# Allegro board BeagleBone AI -64_PCB_V1.02_211119.brd (continued)
## Footprints (pads in the part's own frame, mm; a bottom-side part is the same pattern mirrored in y, then rotated) (continued)
FPC22_0D5_15_4X5_25X2MM_0D5_DX_NPWB
  rrect 0.3x1.3 smd: 1(5.25,0.3) 2(4.75,0.3) 3(4.25,0.3) 4(3.75,0.3) 5(3.25,0.3) 6(2.75,0.3) 7(2.25,0.3) 8(1.75,0.3) 9(1.25,0.3) 10(0.75,0.3) 11(0.25,0.3) 12(-0.25,0.3) 13(-0.75,0.3) 14(-1.25,0.3) 15(-1.75,0.3) 16(-2.25,0.3) 17(-2.75,0.3) 18(-3.25,0.3) 19(-3.75,0.3) 20(-4.25,0.3) 21(-4.75,0.3) 22(-5.25,0.3)
  rect 1.8x2.2 smd: 23(-7.3,-2.847) 24(7.3,-2.847)
HEADER2X8_SMD_1D27
  rect 0.711x2.794 smd: 1(-4.445,-2.324) 2(-4.445,2.324) 3(-3.175,-2.324) 4(-3.175,2.324) 5(-1.905,-2.324) 6(-1.905,2.324) 7(-0.635,-2.324) 8(-0.635,2.324) 9(0.635,-2.324) 10(0.635,2.324) 11(1.905,-2.324) 12(1.905,2.324) 13(3.175,-2.324) 14(3.175,2.324) 15(4.445,-2.324) 16(4.445,2.324)
HEADER2X23P_2D54_SMD_PTH
  rect 1.524x1.524 hole 0.889: 1(-27.94,-1.27)
  round 1.524 hole 0.889: 2(-27.94,1.27) 3(-25.4,-1.27) 4(-25.4,1.27) 43(25.4,-1.27) 44(25.4,1.27) 45(27.94,-1.27) 46(27.94,1.27)
  rrect 1.02x1.9 smd: 5(-22.86,-2.917) 6(-22.86,2.917) 7(-20.32,-2.917) 8(-20.32,2.917) 9(-17.78,-2.917) 10(-17.78,2.917) 11(-15.24,-2.917) 12(-15.24,2.917) 13(-12.7,-2.917) 14(-12.7,2.917) 15(-10.16,-2.917) 16(-10.16,2.917) 17(-7.62,-2.917) 18(-7.62,2.917) 19(-5.08,-2.917) 20(-5.08,2.917) 21(-2.54,-2.917) 22(-2.54,2.917) 23(0,-2.917) 24(0,2.917) 25(2.54,-2.917) 26(2.54,2.917) 27(5.08,-2.917) 28(5.08,2.917) 29(7.62,-2.917) 30(7.62,2.917) 31(10.16,-2.917) 32(10.16,2.917) 33(12.7,-2.917) 34(12.7,2.917) 35(15.24,-2.917) 36(15.24,2.917) 37(17.78,-2.917) 38(17.78,2.917) 39(20.32,-2.917) 40(20.32,2.917) 41(22.86,-2.917) 42(22.86,2.917)
HEADER2X25P_2D54_SMD_PTH
  rrect 1.02x1.9 smd: 1(-25.4,-2.917) 2(-25.4,2.917) 3(-22.86,-2.917) 4(-22.86,2.917) 5(-20.32,-2.917) 6(-20.32,2.917) 7(-17.78,-2.917) 8(-17.78,2.917) 9(-15.24,-2.917) 10(-15.24,2.917) 11(-12.7,-2.917) 12(-12.7,2.917) 13(-10.16,-2.917) 14(-10.16,2.917) 15(-7.62,-2.917) 16(-7.62,2.917) 17(-5.08,-2.917) 18(-5.08,2.917) 19(-2.54,-2.917) 20(-2.54,2.917) 21(0,-2.917) 22(0,2.917) 23(2.54,-2.917) 24(2.54,2.917) 25(5.08,-2.917) 26(5.08,2.917) 27(7.62,-2.917) 28(7.62,2.917) 29(10.16,-2.917) 30(10.16,2.917) 31(12.7,-2.917) 32(12.7,2.917) 33(15.24,-2.917) 34(15.24,2.917) 35(17.78,-2.917) 36(17.78,2.917) 37(20.32,-2.917) 38(20.32,2.917) 39(22.86,-2.917) 40(22.86,2.917) 41(25.4,-2.917) 42(25.4,2.917)
  round 1.524 hole 0.889: 43(27.94,-1.27) 44(27.94,1.27) 45(30.48,-1.27) 46(30.48,1.27) E2(-30.48,1.27) E3(-27.94,-1.27) E4(-27.94,1.27)
  rect 1.524x1.524 hole 0.889: E1(-30.48,-1.27)
HEADER4_2P_1D25_SMD_10X5_3X3_6MM
  rrect 0.8x1.6 smd: 1(-1.875,0) 2(-0.625,0) 3(0.625,0) 4(1.875,0)
  rrect 2.1x2.7 smd: 5(-4.625,-2.85) 6(4.625,-2.85)
L0603
  rrect 0.889x0.889 smd: 1(-0.762,0) 2(0.762,0)
L1008
  rect 1.143x1.905 smd: 1(-1.143,0) 2(1.143,0)
L2012
  rrect 0.75x0.4 smd: 1(-0.925,0.425) 2(0.925,0.425) 3(0.925,-0.425) 4(-0.925,-0.425)
L4242
  rrect 1.55x3.1 smd: 1(-1.75,0) 2(1.75,0)
L7572_XAL7070
  rect 1.93x6.502 smd: 1(-2.41,0) 2(2.41,0)
LED0603
  rect 0.762x1.016 smd: 1(-0.826,0) 2(0.826,0)
MICRO_SD_15X14_3X1_8MM
  rrect 0.6x1.88 smd: 1(8.8,-0.01) 2(7.7,-0.01) 3(6.6,-0.01) 4(5.5,-0.01) 5(4.4,-0.01) 6(3.3,-0.01) 7(2.2,-0.01) 8(1.1,-0.01)
  rrect 1.3x1.3 smd: 9(-0.85,1.58)
  rrect 1.3x1.4 smd: 10(-0.85,8.98)
  rrect 1.7x1.5 smd: S1(12.45,0)
  rrect 1.6x1.5 smd: S2(-0.325,0)
  rrect 1.5x1.7 smd: S3(-0.75,14.78) S4(12.75,14.78)
MTGH200C125D_PL
  round 5.08 hole 3.175: 1(0,0)
PTH_4_2MM_5D8
  round 5.8 hole 4.2: 1(0,0)
PTH_4_45MM_6D5
  round 5 hole 4.45: 1(0,0)
QFN14_0D5_3_5X3_5X1MM
  rect 0.838x0.279 smd: 1(-1.725,-0.75) 7(1.725,-0.75) 8(1.725,0.75) 14(-1.725,0.75)
  rect 0.279x0.838 smd: 2(-1,-1.725) 3(-0.5,-1.725) 4(0,-1.725) 5(0.5,-1.725) 6(1,-1.725) 9(1,1.725) 10(0.5,1.725) 11(0,1.725) 12(-0.5,1.725) 13(-1,1.725)
  rrect 2.05x2.05 smd: 15(0,0)
QFN48_0D5_7X7MM
  rrect 0.7x0.3 smd: 1(-3.45,2.75) 2(-3.45,2.25) 3(-3.45,1.75) 4(-3.45,1.25) 5(-3.45,0.75) 6(-3.45,0.25) 7(-3.45,-0.25) 8(-3.45,-0.75) 9(-3.45,-1.25) 10(-3.45,-1.75) 11(-3.45,-2.25) 12(-3.45,-2.75) 25(3.45,-2.75) 26(3.45,-2.25) 27(3.45,-1.75) 28(3.45,-1.25) 29(3.45,-0.75) 30(3.45,-0.25) 31(3.45,0.25) 32(3.45,0.75) 33(3.45,1.25) 34(3.45,1.75) 35(3.45,2.25) 36(3.45,2.75)
  rrect 0.3x0.7 smd: 13(-2.75,-3.45) 14(-2.25,-3.45) 15(-1.75,-3.45) 16(-1.25,-3.45) 17(-0.75,-3.45) 18(-0.25,-3.45) 19(0.25,-3.45) 20(0.75,-3.45) 21(1.25,-3.45) 22(1.75,-3.45) 23(2.25,-3.45) 24(2.75,-3.45) 37(2.75,3.45) 38(2.25,3.45) 39(1.75,3.45) 40(1.25,3.45) 41(0.75,3.45) 42(0.25,3.45) 43(-0.25,3.45) 44(-0.75,3.45) 45(-1.25,3.45) 46(-1.75,3.45) 47(-2.25,3.45) 48(-2.75,3.45)
  rrect 5.1x5.1 smd: 49(0,0)
QFN64_0D5_9X9X1MM
  rect 0.838x0.305 smd: 1(-4.5,3.75) 2(-4.5,3.25) 3(-4.5,2.75) 4(-4.5,2.25) 5(-4.5,1.75) 6(-4.5,1.25) 7(-4.5,0.75) 8(-4.5,0.25) 9(-4.5,-0.25) 10(-4.5,-0.75) 11(-4.5,-1.25) 12(-4.5,-1.75) 13(-4.5,-2.25) 14(-4.5,-2.75) 15(-4.5,-3.25) 16(-4.5,-3.75) 33(4.5,-3.75) 34(4.5,-3.25) 35(4.5,-2.75) 36(4.5,-2.25) 37(4.5,-1.75) 38(4.5,-1.25) 39(4.5,-0.75) 40(4.5,-0.25) 41(4.5,0.25) 42(4.5,0.75) 43(4.5,1.25) 44(4.5,1.75) 45(4.5,2.25) 46(4.5,2.75) 47(4.5,3.25) 48(4.5,3.75)
  rect 0.305x0.838 smd: 17(-3.75,-4.5) 18(-3.25,-4.5) 19(-2.75,-4.5) 20(-2.25,-4.5) 21(-1.75,-4.5) 22(-1.25,-4.5) 23(-0.75,-4.5) 24(-0.25,-4.5) 25(0.25,-4.5) 26(0.75,-4.5) 27(1.25,-4.5) 28(1.75,-4.5) 29(2.25,-4.5) 30(2.75,-4.5) 31(3.25,-4.5) 32(3.75,-4.5) 49(3.75,4.5) 50(3.25,4.5) 51(2.75,4.5) 52(2.25,4.5) 53(1.75,4.5) 54(1.25,4.5) 55(0.75,4.5) 56(0.25,4.5) 57(-0.25,4.5) 58(-0.75,4.5) 59(-1.25,4.5) 60(-1.75,4.5) 61(-2.25,4.5) 62(-2.75,4.5) 63(-3.25,4.5) 64(-3.75,4.5)
  rect 6.096x6.096 smd: 65(0,0)
R0201
  rrect 0.279x0.318 smd: 1(-0.279,0) 2(0.279,0)
R0402
  rrect 0.5x0.5 smd: 1(-0.463,0) 2(0.463,0)
R0406
  rect 0.559x1.753 smd: 1(-0.49,0) 2(0.49,0)
R1206
  rect 1.397x1.626 smd: 1(-1.41,0) 2(1.41,0)
RJ45_18P_LPJG0801HBNL
  round 3.25 hole 3.25 unplated: (-5.715,0) (5.715,0)
  round 1.6 hole 0.9: 1(-5.715,8.89) 2(-4.445,6.35) 3(-3.175,8.89) 4(-1.905,6.35) 5(-0.635,8.89) 6(0.635,6.35) 7(1.905,8.89) 8(3.175,6.35) 9(4.445,8.89) 10(5.715,6.35)
  round 1.8 hole 1.05: 11(-6.63,-4.06) 12(-4.09,-4.06) 13(4.09,-4.06) 14(6.63,-4.06)
  round 2.7 hole 1.7: 15(-7.875,3.05) 16(7.875,3.05)
SC70_5
  rrect 0.4x0.75 smd: 1(-0.65,-0.925) 2(0,-0.925) 3(0.65,-0.925) 4(0.65,0.925) 5(-0.65,0.925)
SO8_0D5_2_3X2X0_9MM
  rrect 0.25x0.75 smd: 1(-0.749,-1.473) 2(-0.249,-1.473) 3(0.249,-1.473) 4(0.749,-1.473) 5(0.749,1.473) 6(0.249,1.473) 7(-0.249,1.473) 8(-0.749,1.473)
SOD_323
  rrect 1x0.8 smd: 1(-1.2,0) 2(1.2,0)
SOT23
  rrect 1.016x1.143 smd: 1(-0.889,-1.016) 2(0.889,-1.016) 3(0,1.016)
SOT23-5
  rect 0.635x1.016 smd: 1(-0.953,-1.295) 2(0,-1.295) 3(0.953,-1.295) 4(0.953,1.295) 5(-0.953,1.295)
SOT23_6
  rrect 0.55x1.016 smd: 1(-0.95,-1.143) 2(0,-1.143) 3(0.95,-1.143) 4(0.95,1.143) 5(0,1.143) 6(-0.95,1.143)
SOT-323-3
  rrect 0.635x0.762 smd: 1(-0.635,-0.889) 2(0.665,-0.889) 3(0,0.889)
SW_4P
  rect 1.422x0.813 smd: 1(-1.8,-0.94) 2(-1.8,0.94) 3(1.8,-0.94) 4(1.8,0.94)
TP30_SMD
  round 0.762 smd: 1(0,0)
TP30C_SMD
  round 0.762 smd: 1(0,0)
TP60C_SMD
  round 1.27 smd: 1(0,0)
U_8_DCU
  rect 0.254x1.27 smd: 1(-0.749,-1.473) 2(-0.249,-1.473) 3(0.249,-1.473) 4(0.749,-1.473) 5(0.749,1.473) 6(0.249,1.473) 7(-0.249,1.473) 8(-0.749,1.473)
USB3_1_2D0_17_5X13_6X15_69MM
  round 1 hole 0.7: 1(-3.5,2) 2(-1,2) 3(1,2) 4(3.5,2) 5(4,3.5) 6(2,3.5) 7(0,3.5) 8(-2,3.5) 9(-4,3.5) 10(-3.5,5.2) 11(-1,5.2) 12(1,5.2) 13(3.5,5.2) 14(4,6.7) 15(2,6.7) 16(0,6.7) 17(-2,6.7) 18(-4,6.7)
  round 3 hole 2.3: 19(-6.57,5.68) 20(-6.57,0) 21(6.57,0) 22(6.57,5.68)
USB_MTCONN_UBF31-2347-1
  round 1 hole 0.65: (-3.725,-1.81) (3.725,-1.81)
  rect 0.3x0.903 smd: A1(-2.75,0.102) A2(-2.25,0.102) A3(-1.75,0.102) A4(-1.25,0.102) A5(-0.75,0.102) A6(-0.25,0.102) A7(0.25,0.102) A8(0.75,0.102) A9(1.25,0.102) A10(1.75,0.102) A11(2.25,0.102) A12(2.75,0.102)
  round 0.6 hole 0.35: B1(3.05,-1.11) B2(2.4,-1.81) B3(1.6,-1.81) B4(1.2,-1.11) B5(0.8,-1.81) B6(0.4,-1.11) B7(-0.4,-1.11) B8(-0.8,-1.81) B9(-1.2,-1.11) B10(-1.6,-1.81) B11(-2.4,-1.81) B12(-3.05,-1.11)
  oval 1x1.6 hole 0.5x1.1: S1(-4.5,-0.3) S2(4.5,-0.3)
  oval 1x1.8 hole 0.5x1.3: S3(-4.5,-5.91) S4(4.5,-5.91)
USON10_0D5_2D5X1X0D5MM
  oval 0.2x0.7 smd: 1(-1,-0.45) 2(-0.5,-0.45) 4(0.5,-0.45) 5(1,-0.45) 6(1,0.45) 7(0.5,0.45) 9(-0.5,0.45) 10(-1,0.45)
  rrect 0.4x0.7 smd: 3(0,-0.45) 8(0,0.45)
VQFN12_0D5_2X2_5X1MM
  rrect 1.15x0.35 smd: 1(-0.725,0.35) 2(-0.725,-0.35) 7(0.725,-0.35) 8(0.725,0.35)
  rrect 0.2x0.7 smd: 3(-0.75,-1.2) 4(-0.25,-1.2) 5(0.25,-1.2) 6(0.75,-1.2) 9(0.75,1.2) 10(0.25,1.2) 11(-0.25,1.2) 12(-0.75,1.2)
VQFN24_0D5_4X4X1MM
  oval 0.7x0.24 smd: 1(-1.95,1.25) 2(-1.95,0.75) 3(-1.95,0.25) 4(-1.95,-0.25) 5(-1.95,-0.75) 6(-1.95,-1.25) 13(1.95,-1.25) 14(1.95,-0.75) 15(1.95,-0.25) 16(1.95,0.25) 17(1.95,0.75) 18(1.95,1.25)
  oval 0.24x0.7 smd: 7(-1.25,-1.95) 8(-0.75,-1.95) 9(-0.25,-1.95) 10(0.25,-1.95) 11(0.75,-1.95) 12(1.25,-1.95) 19(1.25,1.95) 20(0.75,1.95) 21(0.25,1.95) 22(-0.25,1.95) 23(-0.75,1.95) 24(-1.25,1.95)
  rrect 2.5x2.5 smd: 25(0,0)
VQFN56_0D5_8X8X0_9MM
  rect 0.787x0.305 smd: 1(-4,3.25) 2(-4,2.75) 3(-4,2.25) 4(-4,1.75) 5(-4,1.25) 6(-4,0.75) 7(-4,0.25) 8(-4,-0.25) 9(-4,-0.75) 10(-4,-1.25) 11(-4,-1.75) 12(-4,-2.25) 13(-4,-2.75) 14(-4,-3.25) 29(4,-3.25) 30(4,-2.75) 31(4,-2.25) 32(4,-1.75) 33(4,-1.25) 34(4,-0.75) 35(4,-0.25) 36(4,0.25) 37(4,0.75) 38(4,1.25) 39(4,1.75) 40(4,2.25) 41(4,2.75) 42(4,3.25)
  rect 0.305x0.787 smd: 15(-3.25,-4) 16(-2.75,-4) 17(-2.25,-4) 18(-1.75,-4) 19(-1.25,-4) 20(-0.75,-4) 21(-0.25,-4) 22(0.25,-4) 23(0.75,-4) 24(1.25,-4) 25(1.75,-4) 26(2.25,-4) 27(2.75,-4) 28(3.25,-4) 43(3.25,4) 44(2.75,4) 45(2.25,4) 46(1.75,4) 47(1.25,4) 48(0.75,4) 49(0.25,4) 50(-0.25,4) 51(-0.75,4) 52(-1.25,4) 53(-1.75,4) 54(-2.25,4) 55(-2.75,4) 56(-3.25,4)
  rect 5.994x5.994 smd: 57(0,0)
VQFN-20
  rect 0.914x0.254 smd: 1(-2.3,-0.75) 10(2.3,-0.75) 11(2.3,0.75) 20(-2.3,0.75)
  rect 0.254x0.914 smd: 2(-1.75,-1.8) 3(-1.25,-1.8) 4(-0.75,-1.8) 5(-0.25,-1.8) 6(0.25,-1.8) 7(0.75,-1.8) 8(1.25,-1.8) 9(1.75,-1.8) 12(1.75,1.8) 13(1.25,1.8) 14(0.75,1.8) 15(0.25,1.8) 16(-0.25,1.8) 17(-0.75,1.8) 18(-1.25,1.8) 19(-1.75,1.8)
  custom 4.5x2.05 smd: 21(0,0)
VQFNHR9_0D55_3X2X1MM
  custom 0.775x0.775 smd: 1(-0.55,1) 5(-0.55,-1) 7(0.55,-1) 8(0.55,1)
  rect 2.311x0.254 smd: 2(0,0.5) 3(0,0) 4(0,-0.5)
  rect 0.254x0.66 smd: 6(0,-1.325) 9(0,1.325)
VSON8_0D65_3_3X3_3X1MM
  rect 0.635x0.483 smd: 1(-1.435,0.975) 2(-1.435,0.325) 3(-1.435,-0.325) 4(-1.435,-0.975)
  custom 2.31x2.45 smd: 5(0.595,0)
VSON10_0D5_3X3X1MM
  rect 0.61x0.229 smd: 1(-1.4,1) 2(-1.4,0.5) 3(-1.4,0) 4(-1.4,-0.5) 5(-1.4,-1) 6(1.4,-1) 7(1.4,-0.5) 8(1.4,0) 9(1.4,0.5) 10(1.4,1)
  custom 1.65x3.4 smd: 11(0,0)
WSON8_0D5_2X2X0_8MM
  rrect 0.6x0.25 smd: 1(-1,0.75) 2(-1,0.25) 3(-1,-0.25) 4(-1,-0.75) 5(1,-0.75) 6(1,-0.25) 7(1,0.25) 8(1,0.75)
  rrect 0.9x1.6 smd: 9(0,0)
X2_SMD_3_2X1_5MM
  rrect 0.762x1.524 smd: 1(-1.524,0) 2(1.524,0)
X2QFN12_0D4_1_6X1_6X0_4MM
  oval 0.7x0.2 smd: 1(-0.65,0.2) 2(-0.65,-0.2) 7(0.65,-0.2) 8(0.65,0.2)
  oval 0.2x0.5 smd: 3(-0.6,-0.75) 4(-0.2,-0.75) 5(0.2,-0.75) 6(0.6,-0.75) 9(0.6,0.75) 10(0.2,0.75) 11(-0.2,0.75) 12(-0.6,0.75)
X2SON3_0D3_0_6X1X0_4MM
  rect 0.203x0.203 smd: 1(-0.15,0) 2(0.15,-0.34) 3(0.15,0.34)
X4-SMD-3_2X2_5X1_0MM
  rect 1.321x1.067 smd: 1(-1.15,-0.925) 2(1.15,-0.925) 3(1.15,0.925) 4(-1.15,0.925)
X4_SMD_2_5X2_0MM
  rrect 1x0.9 smd: 1(-0.95,-0.75) 2(0.95,-0.75) 3(0.95,0.75) 4(-0.95,0.75)

## Nets
2V5/3V3: C541.1 C542.1 C543.1 FL9.2 FL11.2 U18.1 U18.2 U18.4
GND: C1.2 C2.2 C3.2 C4.2 C5.2 C6.2 C7.2 C8.2 C9.2 C10.2 C11.2 C12.2 C13.2 C14.2 C15.2 C16.2 C17.2 C18.2 C19.2 C20.2 C21.2 C22.2 C23.2 C24.2 C25.2 C26.2 C27.2 C28.2 C29.2 C30.2 C31.2 C32.2 C33.2 C34.2 C35.2 C36.2 C37.2 C38.2 C39.2 C40.2 C41.2 C42.2 C43.2 C44.2 C45.2 C46.2 C47.2 C48.2 C49.2 C50.2 C51.1 C52.2 C53.2 C54.2 C55.2 C56.2 C57.2 C58.2 C59.2 C60.2 C61.2 C62.2 C63.2 C64.2 C65.2 C66.2 C67.2 C68.2 C69.2 C70.2 C71.2 C72.2 C73.2 C74.2 C75.2 C76.2 C77.2 C78.2 C79.2 C80.2 C81.2 C82.2 C83.2 C84.2 C85.2 C86.2 C87.2 C88.2 C89.2 C90.2 C91.2 C93.2 C94.2 C95.2 C96.2 C97.2 C98.2 C99.2 C100.2 C101.2 C102.2 C103.2 C104.2 C105.2 C106.1 C107.2 C108.2 C109.2 C110.2 C111.2 C112.2 C113.2 C114.2 C115.2 C116.2 C117.2 C118.2 C120.2 C122.2 C123.2 C124.2 C127.2 C128.2 C130.2 C131.2 C133.2 C134.2 C136.2 C137.2 C138.2 C139.2 C140.2 C141.2 C142.2 C144.2 C145.2 C146.2 C147.2 C148.2 C149.2 C150.2 C152.2 C153.2 C154.2 C155.2 C156.2 C157.2 C158.2 C159.2 C160.2 C161.2 C162.2 C163.2 C165.2 C166.2 C167.2 C168.2 C169.2 C170.2 C171.2 C172.2 C173.2 C175.2 C176.2 C178.2 C179.2 C180.2 C181.2 C182.2 C183.2 C184.2 C186.2 C187.2 C189.2 C190.2 C191.2 C192.2 C193.2 C194.2 C195.2 C196.2 C197.2 C198.2 C199.2 C200.2 C201.2 C202.2 C203.2 C204.2 C205.2 C206.2 C207.2 C208.2 C209.2 C210.2 C211.2 C212.2 C213.2 C214.2 C215.2 C216.2 C217.2 C218.2 C219.2 C220.2 C221.2 C222.2 C223.2 C224.2 C225.2 C226.2 C227.2 C228.2 C229.2 C230.2 C231.2 C232.2 C233.2 C234.2 C235.2 C236.2 C237.2 C238.2 C239.2 C240.2 C241.2 C242.2 C243.2 C244.2 C245.2 C246.2 C247.2 C248.2 C249.2 C250.2 C251.2 C252.2 C253.2 C254.2 C255.2 C256.2 C257.2 C258.2 C259.2 C260.2 C261.2 C262.2 C263.2 C264.2 C265.2 C266.2 C267.2 C268.2 C269.2 C270.2 C271.2 C272.2 C273.2 C274.2 C275.2 C276.2 C277.2 C278.2 C279.2 C280.2 C281.2 C282.2 C283.2 C284.2 C285.2 C286.2 C287.2 C288.2 C289.2 C290.2 C291.2 C292.2 C293.2 C294.2 C295.2 C296.2 C297.2 C298.2 C299.2 C300.2 C301.2 C302.2 C303.2 C304.2 C305.2 C306.2 C307.2 C308.2 C309.2 C310.2 C311.2 C312.2 C313.2 C314.2 C315.2 C316.2 C317.2 C318.2 C319.2 C320.2 C321.2 C322.2 C323.2 C324.2 C325.2 C326.2 C327.2 C328.2 C329.2 C330.2 C331.2 C332.2 C333.2 C334.2 C335.2 C336.2 C337.2 C338.2 C339.2 C340.2 C341.2 C342.2 C343.2 C344.2 C345.2 C346.2 C347.2 C348.2 C349.2 C350.1 C351.1 C352.2 C353.2 C354.2 C355.2 C356.2 C357.2 C358.2 C359.2 C360.2 C361.2 C362.2 C363.2 C364.2 C365.2 C366.2 C367.2 C369.2 C370.2 C371.2 C372.2 C374.2 C376.2 C378.2 C379.2 C380.2 C381.2 C382.2 C383.2 C384.2 C385.2 C386.2 C387.2 C388.2 C389.2 C390.2 C391.2 C392.2 C393.2 C394.2 C395.2 C396.2 C397.2 C398.2 C399.2 C400.2 C401.2 C402.2 C403.2 C404.2 C405.2 C406.2 C407.2 C408.2 C409.2 C410.2 C411.2 C412.2 C413.2 C414.2 C415.2 C416.2 C417.2 C418.2 C419.2 C420.2 C421.2 C422.2 C423.2 C424.2 C425.2 C426.2 C427.2 C428.2 C429.2 C430.2 C431.2 C432.2 C433.2 C434.2 C435.2 C436.2 C437.2 C438.2 C439.2 C440.2 C441.2 C442.2 C443.2 C444.2 C445.2 C446.2 C447.2 C448.2 C449.2 C450.2 C451.2 C452.2 C453.2 C454.2 C455.2 C456.2 C457.2 C458.2 C459.2 C460.2 C461.2 C462.2 C463.2 C464.2 C465.2 C466.2 C467.2 C468.2 C469.2 C470.2 C471.2 C472.2 C473.2 C474.2 C475.2 C476.2 C477.2 C478.2 C479.2 C480.2 C481.2 C482.2 C483.2 C484.2 C485.2 C486.2 C487.2 C488.2 C489.2 C490.2 C491.2 C492.2 C493.2 C494.2 C495.2 C496.2 C497.2 C498.2 C499.2 C500.2 C501.2 C502.2 C503.2 C505.2 C506.2 C507.2 C508.2 C509.2 C510.2 C511.2 C512.2 C513.2 C514.2 C515.2 C516.2 C517.2 C518.2 C519.2 C520.2 C521.2 C522.2 C523.1 C524.2 C525.2 C526.2 C527.1 C528.2 C529.1 C530.2 C539.2 C540.2 C541.2 C542.2 C543.2 C544.2 C545.2 C546.2 C547.2 D1.1 D2.1 D3.1 D4.1 D5.1 D6.2 D7.1 D8.2 D9.2 D10.2 D11.2 D12.2 D13.1 D14.1 D15.1 D16.1 D17.1 D18.1 D19.1 D22.1 D23.1 D24.1 D25.1 D26.1 D27.1 D28.1 D29.1 D30.1 D31.1 D32.1 D33.1 D34.1 D35.1 D36.2 D37.2 D38.2 D39.2 D40.1 D42.1 D43.1 D44.1 D45.1 D46.1 D47.1 D48.1 D49.1 J1.1 J1.5 J1.6 J2.1 J3.1 J4.1 J4.7 J4.18 J4.33 J4.39 J4.45 J4.51 J4.57 J4.63 J4.69 J4.75 J4.76 J4.77 J5.A1 J5.A12 J5.B1 J5.B12 J6.2 J7.1 J7.7 J7.8 J7.13 J7.14 J7.19 J8.4 J8.7 J8.13 J8.16 J9.12 J9.14(YEL-) J10.1 J10.2 J11.3 J11.5 J12.6(VSS) J12.9 J13.1 J13.4 J13.7 J13.10 J13.13 J13.16 J13.19 J13.23 J13.24 J15.1 J15.4 J15.7 J15.10 J15.13 J15.16 J15.19 J15.23 J15.24 J16.1 J16.4 J16.7 J16.10 J16.13 J16.16 J16.19 J16.23 J16.24 LED1.2(C) LED2.2(C) LED3.2(C) LED4.2(C) LED5.2(C) LED6.2(C) MH8.1(NC) P8.1 P8.2 P9.1 P9.2 P9.34 P9.43 P9.44 P9.45 P9.46 P9.E4 Q2.1 Q2.2 Q2.3 Q4.2(S) R2.2 R9.2 R11.2 R12.2 R13.2 R14.2 R16.2 R17.2 R18.2 R22.2 R24.2 R25.2 R30.2 R40.2 R59.2 R66.2 R68.2 R70.2 R79.2 R80.2 R81.2 R83.2 R84.2 R86.2 R87.2 R88.2 R89.2 R90.2 R91.2 R92.2 R94.2 R96.2 R97.2 R98.2 R99.2 R100.2 R110.2 R113.2 R114.2 R116.2 R119.2 R120.2 R123.2 R125.2 R126.2 R135.2 R138.2 R140.2 R141.2 R144.2 R146.2 R149.2 R154.2 R156.2 R158.2 R159.2 R164.2 R168.2 R175.2 R178.2 R180.2 R185.2 R192.2 R193.2 R195.2 R197.2 R218.2 R233.2 R238.2 R246.2 R259.2 R261.2 R262.2 R263.2 R267.2 R269.2 R271.2 R285.2 R290.1 R291.2 R292.2 R293.2 R294.2 R297.1 R298.2 R299.2 R301.2 R307.2 R308.1 R309.1 R312.2 R313.1 R315.2 R317.2 R344.2 R345.2 R346.2 R353.2 R356.2 SW1.1 SW1.3 SW2.1 SW2.3 SW3.1 SW3.3 TP16.1(TP) U1.12 U2.7 U2.15 U3.3 U3.6 U3.9 U3.16 U3.25 U4.1 U4.11 U5.2 U6.3 U7.2 U8.2 U9.6 U9.11 U10.2 U11.3 U12.3 U13.3 U13.8 U14.2 U14.4 U15.49 U16.3 U17.3 U17.8 U18.6 U18.11 U19.A7 U19.A10 U19.A13 U19.A16 U19.A19 U19.A22 U19.AA7 U19.AA9 U19.AA11 U19.AA13 U19.AA14 U19.AA16 U19.AA18 U19.AB8 U19.AB17 U19.AB19 U19.AB20 U19.AB22 U19.AC10 U19.AC13 U19.AC16 U19.AD11 U19.AD14 U19.AD17 U19.AE7 U19.AE10 U19.AE12 U19.AE15 U19.AE16 U19.AE19 U19.AF5 U19.AF8 U19.AF11 U19.AF14 U19.AF17 U19.AF20 U19.AF25 U19.AG4 U19.AG7 U19.AG10 U19.AG13 U19.AG16 U19.AG19 U19.AH2 U19.AH5 U19.AH8 U19.AH11 U19.AH14 U19.AH17 U19.AH20 U19.AJ4 U19.AJ7 U19.AJ10 U19.AJ13 U19.AJ16 U19.AJ19 U19.B3 U19.B6 U19.B9 U19.B12 U19.B15 U19.B18 U19.B21 U19.C1 U19.C5 U19.C8 U19.C11 U19.C14 U19.C17 U19.C20 U19.D2 U19.D4 U19.D7 U19.D10 U19.D13 U19.D16 U19.D19 U19.E1 U19.E5 U19.E9 U19.E12 U19.E15 U19.F4 U19.F8 U19.F14 U19.G1 U19.G7 U19.G11 U19.G13 U19.G15 U19.G17 U19.H4 U19.H6 U19.H8 U19.H10 U19.H12 U19.H14 U19.H16 U19.H18 U19.H20 U19.J7 U19.J9 U19.J11 U19.J13 U19.J15 U19.J17 U19.J21 U19.J23 U19.K1 U19.K4 U19.K8 U19.K10 U19.K12 U19.K14 U19.K16 U19.K18 U19.K20 U19.K22 U19.L3 U19.L7 U19.L9 U19.L13 U19.L15 U19.L17 U19.L19 U19.L21 U19.L23 U19.M1 U19.M4 U19.M6 U19.M8 U19.M10 U19.M14 U19.M16 U19.M18 U19.M20 U19.M28 U19.N3 U19.N7 U19.N15 U19.N17 U19.N19 U19.N21 U19.N27 U19.N29 U19.P1 U19.P4 U19.P8 U19.P10 U19.P12 U19.P14 U19.P16 U19.P18 U19.P20 U19.P28 U19.R3 U19.R7 U19.R9 U19.R13 U19.R15 U19.R17 U19.R19 U19.T8 U19.T10 U19.T14 U19.T16 U19.T18 U19.T21 U19.U5 U19.U9 U19.U15 U19.U17 U19.U19 U19.U21 U19.V8 U19.V10 U19.V12 U19.V14 U19.V18 U19.W9 U19.W11 U19.W13 U19.W16 U19.W20 U19.Y8(VSS#Y8) U19.Y10 U19.Y12 U19.Y15 U19.Y17 U19.Y19 U19.Y21 U20.65 U21.10 U21.11 U22.2 U23.5 U23.9 U24.3 U25.A3 U25.A10 U25.AB3 U25.AB5 U25.AB8 U25.AB10 U25.C1 U25.C5 U25.C8 U25.C12 U25.D2 U25.D4 U25.D9 U25.D11 U25.E1 U25.E5 U25.E8 U25.E12 U25.G1 U25.G3 U25.G5 U25.G8 U25.G10 U25.G12 U25.J1 U25.J3 U25.J10 U25.J12 U25.K2 U25.K4 U25.K9 U25.K11 U25.N2 U25.N4 U25.N9 U25.N11 U25.P1 U25.P3 U25.P10 U25.P12 U25.T1 U25.T3 U25.T5 U25.T8 U25.T10 U25.T12 U25.V1 U25.V5 U25.V8 U25.V12 U25.W2 U25.W4 U25.W9 U25.W11 U25.Y1 U25.Y5 U25.Y8(VSS#Y8) U25.Y12 U26.A6 U26.C4(VSSQ4) U26.E7 U26.G5 U26.H10 U26.J5 U26.K8 U26.N2 U26.N5 U26.P4 U26.P6 U27.3 U28.4 U29.5 U29.6 U29.21 U29.36 U29.38 U29.57 U30.5 U30.6 U30.21 U30.36 U30.57 U31.1 U31.4 U32.11 U32.21 U33.1 U33.4 U34.2 U34.3 X1.2 X1.4 X2.2 X2.4 X3.2 X3.4 X4.2 X4.4
GND_CT: J9.1 R158.1
GND_EARTH: C6.1 J5.S1 J5.S2 J5.S3 J5.S4 J7.SH1 J7.SH2 J7.SH3 J7.SH4 J8.19 J8.20 J8.21 J8.22 J9.15 J9.16 J12.S1 J12.S2 J12.S3 J12.S4 MH1.1(NC) MH2.1(NC) MH3.1(NC) MH4.1(NC) MH5.1(NC) MH6.1(NC) MH9.1(NC) R9.1
V1V1_VDDUSB: C355.1 C357.1 C371.1 C380.1 C394.1 C397.1 C398.1 C402.1 C407.1 FL24.2 U20.5 U20.8 U20.13 U20.21 U20.28 U20.31 U20.51 U20.57
V3V3_DP0: C440.1 C443.1 C445.1 J7.20 U22.6(OUT)
V3V3_VDD33USB: C4.1 C247.1 C323.1 C324.1 C356.1 C358.1 C381.1 C385.1 C399.1 FL22.1 U20.16 U20.34 U20.52 U20.63
V4_USBC_INT: R82.2 U19.V4 U21.6
V5_AB25: P9.29 R128.2 R264.2
V5_SYS_BOOTMODE5: R264.1 R269.1 R270.2 U19.V5
V6_AE28: P9.30 R132.2 R242.2
V6_SYS_BOOTMODE4: R238.1 R241.2 R242.1 U19.V6
V23_DSI_GPIO1: R349.1 U19.V23
V24_LED_USR3: R371.1 U19.V24
V25_CSI1_GPIO1: J15.17 U19.V25
V26_LED_USR4: R372.1 U19.V26
V27_EHRPWM0_B: P8.13 U19.V27
V28_MCASP10_AXR0: U19.V28 U32.17
V29_EHRPWM0_A: P8.19 U19.V29
VBUS_5V0_TYPEA: C142.1 C157.1 C384.1 C388.1 J8.1 J8.10(VBUS_1) U4.9
VCC_LM5141: C453.1 D41.1 U3.10
VDD1_LPDDR4_1V8_REG: C494.1 R31.1 U30.13
VDD_1V1: C339.1 C414.1 C540.1 FL12.1 FL24.1 R244.1 R277.1 U18.9 U18.10
VDD_2V5: C315.1 C433.1 FL8.1 FL9.1 R166.1 R243.1 U9.9 U9.10
VDD_ADC_1V8_3V3: FL1.2 P9.32
VDD_ADC_1V8_3V3_REG: C493.1 FL1.1 U30.11
